# Altium PCB 190929 PCB (REV0).PcbDoc (part 1 of 2) (continued)
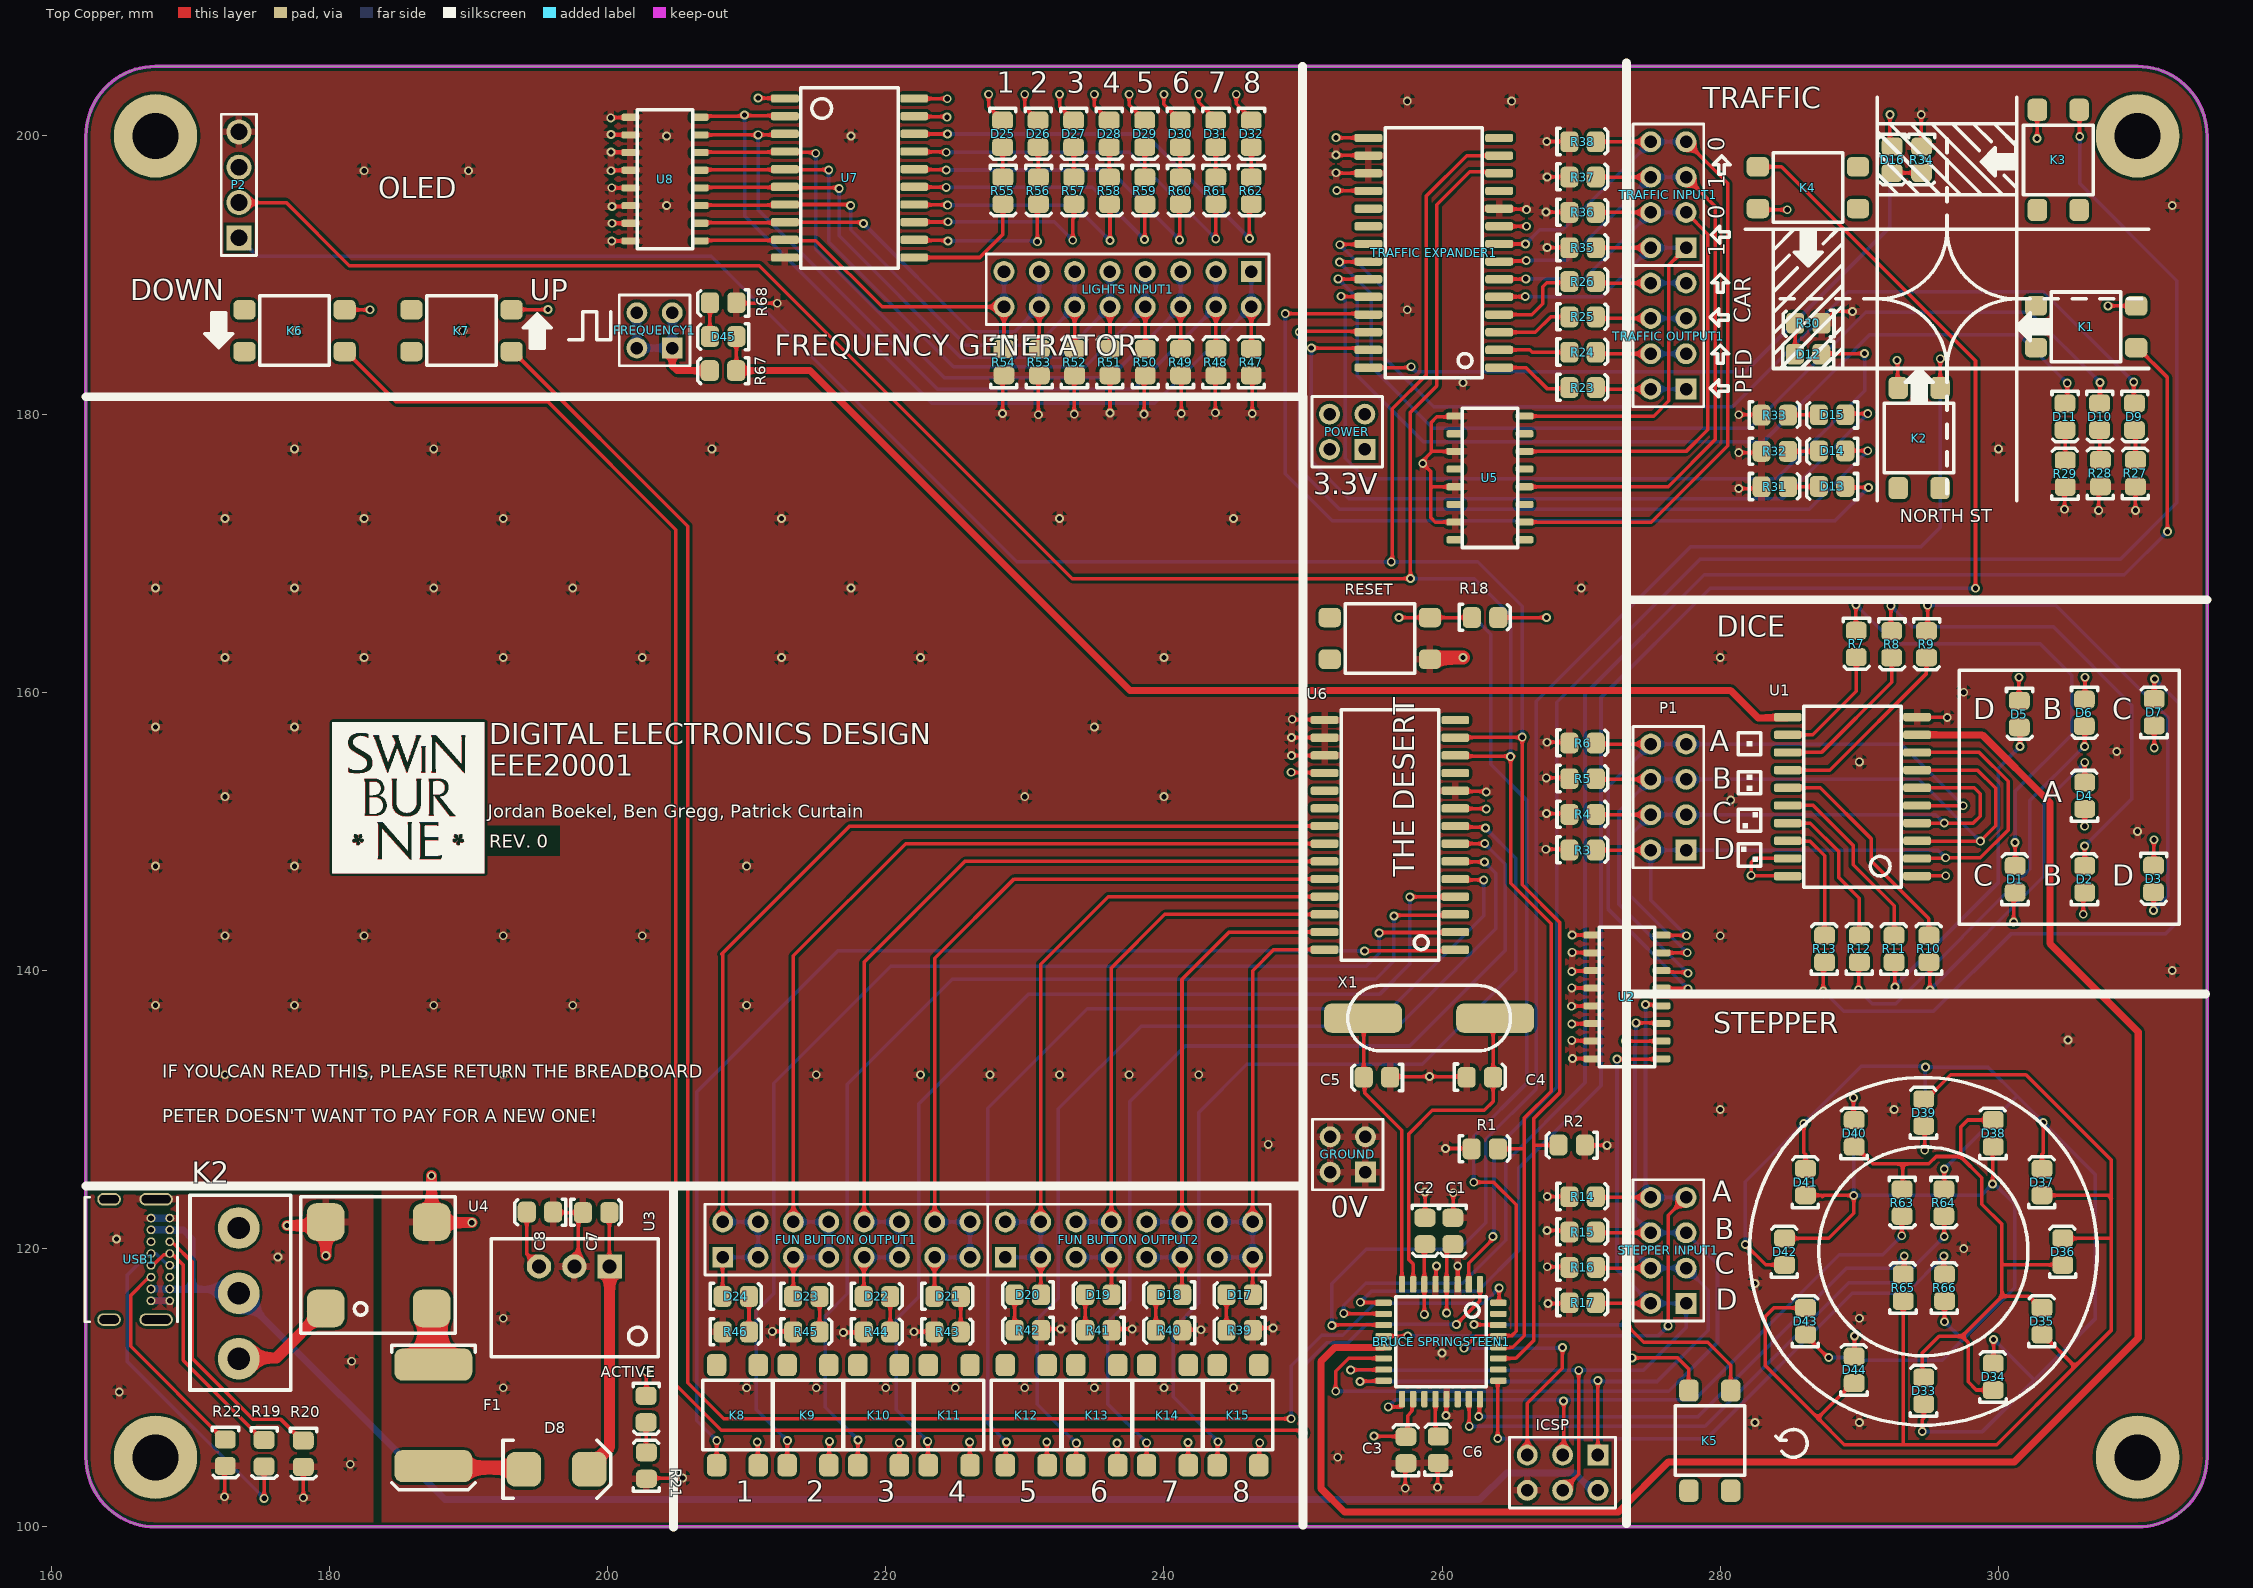
[diagram p0: Top Copper view]
## Part data (continued)
ACTIVE D1 D2 D3 D4 D5 D6 D7 D9 D10 D11 D12 D13 D14 D15 D16 D17 D18 D19 D20 D21 D22 D23 D24 D25 D26 D27 D28 D29 D30 D31 D32 D33 D34 D35 D36 D37 D38 D39 D40 D41 D42 D43 D44 D45: library part SML-210LTT86, "Red LED Indication - Discrete 1.75V 0805 (2012 Metric)", Colour=Red, Digikey Part Number=511-1286-1-ND, Manufacturer="ROHM Semiconductor", Digikey Link=https://www.digikey.com/product-detail/en/rohm-semiconductor/SML-210LTT86/511-1286-1-ND/637099, Part Number=SML-210LTT86
"BRUCE SPRINGSTEEN1": "AVR AVR® ATmega Microcontroller IC 8-Bit 20MHz 32KB (16K x 16) FLASH 32-TQFP (7x7)", Digikey Part Number=ATMEGA328P-AU-ND, Manufacturer=ATMEL, Digikey Link=https://www.digikey.com/product-detail/en/microchip-technology/ATMEGA328P-AU/ATMEGA328P-AU-ND/1832260, Part Number="ATMEGA 328P-AU"
C1 C3: library part GCM21BR71A105KA37L, Manufacturer=muRata, Rated Voltage=10V, Tolerance=10%, Material=X7R, Part Number=GCM21BR71A105KA37L
C2: library part GCM21BR61A475KA37L, Manufacturer=muRata, Rated Voltage=10V, Tolerance=10%, Material=X5R, Part Number=GCM21BR61A475KA37L
C4 C5: library part GCM21B5C1H220JA37L, Manufacturer=muRata, Rated Voltage=50V, Tolerance=5%, Material=C0G, Part Number=GCM21B5C1H220JA37L
C6: library part GCM21BR71E104KA37L, Manufacturer=muRata, Rated Voltage=25V, Tolerance=10%, Material=X7R, Part Number=GCM21BR71E104KA37L
C7: library part GCM21BR61A106KA37L, Manufacturer=muRata, Rated Voltage=10V, Tolerance=10%, Material=X5R, Part Number=GCM21BR61A106KA37L
C8: library part GRM21BR61A226ME51L, Digikey Part Number=490-10511-1-ND, Manufacturer=muRata, Rated Voltage=10V, Tolerance=20%, Material=X5R, Part Number=GRM21BR61A226ME51L
D8: "1.2V_F 600V 5A SMB", Digikey Part Number=1655-1530-2-ND, Manufacturer="SMC Diode Solutions", Digikey Link=https://www.digikey.com/product-detail/en/smc-diode-solutions/SD560BTR/1655-1530-2-ND/6022620, Part Number=SD560BTR
F1: "PTC RESET FUSE 60V 1A 292", Digikey Part Number=507-2070-1-ND, Manufacturer="Littelfuse Inc.", Digikey Link=https://www.digikey.com/product-detail/en/bel-fuse-inc/0ZCF0100AF2A/507-2070-1-ND/6210547, Part Number=0ZCF0100AF2A
FREQUENCY1 GROUND POWER: library part "Header 2x2", Angle=0, Contact=NA, Flange=No, Part Number="Header 2x2", Pitch=2.54mm, Positions=4, Row Spacing=2.54mm
ICSP: library part "Header 2x3", Angle=0, Contact=NA, Flange=No, Part Number="Header 2x3", Pitch=2.54mm, Positions=6, Row Spacing=2.54mm
K1 K2 K3 K4 K5 K6 K7 K8 K9 K10 K11 K12 K13 K14 K15 RESET: "Tactile Switch SPST-NO Top Actuated Surface Mount", Digikey Part Number=EG5350TR-ND, Manufacturer=E-Switch, Digikey Link=https://www.digikey.com/product-detail/en/e-switch/TL3305AF160QG/EG5350TR-ND/5816181, Part Number=TL3305AF160QG
K2: "Switch Slide SPDT 3A 125V", Digikey Part Number=360-2131-ND, Manufacturer="NKK Switches", Digikey Link=https://www.digikey.com.au/product-detail/en/nkk-switches/CS12ANW03/360-2131-ND/1014827, Part Number=CS12ANW03
P1 "STEPPER INPUT1" "TRAFFIC INPUT1" "TRAFFIC OUTPUT1": library part "Header 2x4", Angle=0, Contact=NA, Flange=No, Part Number="Header 2x4", Pitch=2.54mm, Positions=8, Row Spacing=2.54mm
P2: library part "Header 1x4", Angle=0, Contact=NA, Flange=No, Part Number="Header 1x4", Pitch=2.54mm, Positions=4, Row Spacing=2.54mm
R1 R2 R3 R4 R5 R6 R14 R15 R16 R17 R35 R36 R37 R38 R47 R48 R49 R50 R51 R52 R53 R54: library part RC0805FR0710KL, Manufacturer=YAGEO, Rated Voltage=0.125W, Tolerance=0.01, Material=FR-07, Part Number=RC0805FR0710KL, Qty=50
R7 R8 R9 R10 R11 R12 R13 R18 R27 R28 R29 R30 R31 R32 R33 R34 R39 R40 R41 R42 R43 R44 R45 R46 R55 R56 R57 R58 R59 R60 R61 R62 R63 R64 R65 R66 R67 R68: library part RC0805FR071KL, Manufacturer=YAGEO, Rated Voltage=0.125W, Tolerance=0.01, Material=FR-07, Part Number=RC0805FR071KL, Qty=50
R19 R21: library part RC0805FR07200RL, Manufacturer=YAGEO, Rated Voltage=0.125W, Tolerance=0.01, Material=FR-07, Part Number=RC0805FR07200RL, Qty=50
R20 R22: library part RC0805FR075K1L, Manufacturer=YAGEO, Rated Voltage=0.125W, Tolerance=0.01, Material=FR-07, Part Number=RC0805FR075K1L, Qty=50
R23 R24 R25 R26: library part RC0805FR07330RL, Manufacturer=YAGEO, Rated Voltage=0.125W, Tolerance=0.01, Material=FR-07, Part Number=RC0805FR07330RL, Qty=50
"TRAFFIC EXPANDER1" U6: "IC I/O EXPANDER I2C 16B 28SOIC", Digikey Part Number=MCP23017T-E/SOTR-ND, Manufacturer="Microchip Technology", Digikey Link=https://www.digikey.com/product-detail/en/microchip-technology/MCP23017T-E-SO/MCP23017T-E-SOTR-ND/964184, Part Number=MCP23017
U1 U7: "IC BUFFER INVERT 6V 20SOIC", Digikey Part Number=296-8333-1-ND, Manufacturer="Texas Instruments", Digikey Link=https://www.digikey.com/product-detail/en/texas-instruments/SN74HC540DWR/296-8333-1-ND/376710, Part Number=SN74HC540DWR
U2 U5 U8: "PD 300W VWM 3.3VCJ 425PFPACKAGE", Digikey Part Number=1655-2152-2-ND, Manufacturer="SMC Diode", Digikey Link=https://www.digikey.com/product-detail/en/smc-diode-solutions/S16C03-8TR/1655-2152-2-ND/9816814, Part Number=S16C03-8TR
U3: "CONV DC/DC 1A 3.3V OUT SIP VERT", Digikey Part Number=945-1394-5-ND, Manufacturer=Recom, Digikey Link=https://www.digikey.com/product-detail/en/recom-power/R-78C3.3-1.0/945-1394-5-ND/2652147, Part Number=R-78C3.3-1.0
U4: "Common Mode Choke 120UH 2.5A 2LN 460 OHM SMD", Digikey Part Number=732-1489-2-ND, Manufacturer="Wurth Electronics Inc", Digikey Link=https://www.digikey.com/product-detail/en/wurth-electronics-inc/744272121/732-1489-2-ND/1638893, Part Number=744272121
USB1: "USB - C (Type - C) USB 2.0 Receptacle Connector 16 Position Through Hole, Right Angle", Digikey Part Number=2073-USB4085-GF-ACT-ND, Angle=90, Digikey Link=https://www.digikey.ee/product-detail/en/gct/USB4085-GF-A/2073-USB4085-GF-ACT-ND/9859733, Part Number=USB4085-GF-A
X1: library part ABLS-16.000MHZ-B4-T, Digikey Part Number=535-10226-1-ND, Load Capacitance=18pF, Manufacturer="Abracon LLC", Digikey Link=https://www.digikey.com/product-detail/en/abracon-llc/ABLS-16.000MHZ-B4-T/535-10226-1-ND/2184261, ESR=40R, Part Number=ABLS-16.000MHZ-B4-T
"FUN BUTTON OUTPUT1" "FUN BUTTON OUTPUT2" "LIGHTS INPUT1": Angle=0, Contact=NA, Flange=No, Part Number="Header 2x8", Pitch=2.54mm, Positions=16, Row Spacing=2.54mm

## Free pads (board coordinates)
  round 6 hole 3.3: MOUNT(167.5,105) MOUNT(167.5,200) MOUNT(310,105) MOUNT(310,200)

## Via types
v1: diameter 0.635, hole 0.381, Top Copper to Bottom Copper, 357 vias

## Nets (pads, with @x,y where several pads share a name; then routed paths per layer and width w, separated by ;. In a path a pad name is that pad's centre, name@x,y a point inside that pad or via, vN(x,y) a via of type N, cw(c..) or ccw(c..) an arc to the next point about the centre after c; other vN are vias at no path point)
0V: "BRUCE SPRINGSTEEN1.3" "BRUCE SPRINGSTEEN1.5" "BRUCE SPRINGSTEEN1.21" "TRAFFIC EXPANDER1.10" "TRAFFIC EXPANDER1.16" "TRAFFIC EXPANDER1.17" C1.1 C2.1 C3.1 C4.1 C5.1 C6.1 C7.1 C8.1 GROUND.1 GROUND.2 GROUND.3 GROUND.4 ICSP.6 P2.4 R1.1 R2.1 R3.1 R4.1 R5.1 R6.1 R14.1 R15.1 R16.1 R17.1 R21.1 R27.1 R28.1 R29.1 R30.1 R31.1 R32.1 R33.1 R34.1 R35.1 R36.1 R37.1 R38.1 R39.1 R40.1 R41.1 R42.1 R43.1 R44.1 R45.1 R46.1 R47.1 R48.1 R49.1 R50.1 R51.1 R52.1 R53.1 R54.1 R68.1 RESET.2 U1.10 U2.1 U2.2 U2.3 U2.4 U2.5 U2.6 U2.7 U2.8 U3.2 U4.3 U5.1 U5.3 U5.5 U5.7 U6.10 U6.15 U6.16 U6.17 U7.10 U8.9 U8.10 U8.11 U8.12 U8.13 U8.14 U8.15 U8.16 | length 164.3
  Top Copper w0.254: C8.1@196.093,122.633 196.129,122.596 C7.1@198.231,122.596 197.898,122.263 197.898,119.006 U3.2@197.612,118.72 ; v1(200.225,201.3) 200.245,201.32 201.625,201.32 U8.9@201.645,201.34 ; v1(200.25,197.5) 200.28,197.53 U8.12@201.645,197.53 ; v1(200.25,198.85) 200.275,198.825 201.62,198.825 U8.11@201.645,198.8 ; v1(200.25,200.1) 200.265,200.085 201.63,200.085 U8.10@201.645,200.07 ; v1(200.3,192.45) U8.16@201.645,192.45 ; v1(200.3,196.275) 200.308,196.267 201.638,196.267 U8.13@201.645,196.26 ; v1(200.325,193.725) 200.327,193.723 201.642,193.723 U8.15@201.645,193.72 ; v1(200.325,194.925) 201.58,194.925 U8.14@201.645,194.99 ; R21.1@202.794,103.457 202.842,103.505 v1(205.41,103.505) ; R46.1@208.205,113.979 208.256,114.03 R46.1@208.271,114.014 ; R68.1@209.262,188.006 209.293,187.975 v1(212.2,187.975) ; v1(211.851,114.055) 213.304,114.055 R45.1@213.345,114.014 ; v1(216.956,113.979) 218.385,113.979 R44.1@218.42,114.014 ; v1(222.036,114.03) 223.478,114.03 R43.1@223.494,114.014 ; v1(228.4,180.05) 228.4,182.628 228.371,182.656 R54.1@228.503,182.788 ; v1(230.975,179.95) 230.975,182.72 R53.1@231.043,182.788 ; R42.1@231.169,114.133 231.259,114.223 v1(232.59,114.223) ; v1(233.55,180) 233.55,182.71 233.528,182.732 R52.1@233.583,182.788 ; R51.1@236.123,182.788 236.093,182.758 236.125,182.726 v1(236.125,180.075) ; R41.1@236.243,114.133 236.334,114.223 v1(237.72,114.223) ; v1(238.575,180) 238.575,182.563 238.625,182.613 238.557,182.682 R50.1@238.663,182.788 ; R49.1@241.203,182.788 241.173,182.758 241.25,182.681 v1(241.25,180.05) ; R40.1@241.318,114.133 241.357,114.173 v1(242.673,114.173) ; v1(243.7,180.1) 243.7,182.745 R48.1@243.743,182.788 ; R47.1@246.283,182.788 246.35,182.721 v1(246.35,180.05) ; R39.1@246.392,114.133 246.558,114.3 v1(247.855,114.3) ; v1(249.174,155.448) 249.182,155.456 251.541,155.456 U6.17@251.55,155.465 ; v1(249.174,156.743) 249.178,156.739 251.546,156.739 U6.16@251.55,156.735 ; v1(249.225,158.064) 249.254,158.035 251.52,158.035 U6.15@251.55,158.005 ; v1(252.375,197.35) 252.393,197.332 254.683,197.332 254.7,197.315 ; v1(252.375,198.625) 252.395,198.605 254.68,198.605 254.7,198.585 ; C5.1@256.267,132.323 256.364,132.225 256.514,132.375 v1(259.1,132.375) 261.522,132.375 261.672,132.225 C4.1@261.768,132.32 ; v1(257.35,102.775) 257.35,104.525 C3.1@257.4,104.575 ; C2.1@258.772,122.221 258.775,122.224 v1(258.775,124.075) ; 259.523,117.434 259.562,117.472 259.562,118.712 v1(259.6,118.75) ; v1(259.675,102.85) 259.675,104.55 C6.1@259.725,104.6 ; v1(260.25,127.2) 261.989,127.2 262.064,127.125 R1.1@262.113,127.174 ; v1(260.275,108) 260.299,108.024 260.299,109.16 260.323,109.184 ; C1.1@260.772,122.221 260.8,122.249 v1(260.8,124.025) ; U6.10@260.95,152.925 260.997,152.878 263.123,152.878 v1(263.169,152.832) ; U5.7@260.95,172.235 259.515,172.235 259.2,172.55 259.2,174.675 ; U5.5@260.95,174.775 259.3,174.775 259.2,174.675 ; U5.3@260.95,177.315 259.29,177.315 259.225,177.25 ; U5.1@260.95,179.855 260.895,179.8 259.625,179.8 259.225,179.4 259.225,177.25 ; 261.123,117.434 261.125,117.436 v1(261.125,118.75) ; 264.1,194.775 264.137,194.737 266.037,194.737 v1(266.075,194.7) ; v1(267.462,148.717) 269.042,148.717 269.067,148.742 R3.1@269.149,148.66 ; v1(267.475,194.525) 269.124,194.525 R36.1@269.149,194.5 ; v1(267.487,153.848) 269.088,153.848 R5.1@269.149,153.787 ; v1(267.513,151.282) 268.836,151.282 268.963,151.409 R4.1@269.149,151.223 ; v1(267.525,199.6) 269.129,199.6 R38.1@269.149,199.58 ; v1(267.538,121.31) 269.033,121.31 R15.1@269.149,121.194 ; v1(267.538,156.413) 269.086,156.413 R6.1@269.149,156.35 ; v1(267.55,191.975) 269.134,191.975 R35.1@269.149,191.96 ; v1(267.55,197.05) 269.139,197.05 R37.1@269.149,197.04 ; v1(267.564,118.694) 269.109,118.694 R16.1@269.149,118.654 ; v1(267.564,123.749) 269.135,123.749 R14.1@269.149,123.734 ; v1(267.614,116.053) 269.088,116.053 R17.1@269.149,116.114 ; v1(269.3,137.425) 269.318,137.443 270.783,137.443 U2.5@270.8,137.46 ; v1(269.325,134.975) 269.353,134.947 270.772,134.947 U2.7@270.8,134.92 ; v1(269.325,136.15) 269.345,136.17 270.78,136.17 U2.6@270.8,136.19 ; v1(269.325,138.75) 269.335,138.74 270.79,138.74 U2.4@270.8,138.73 ; v1(269.325,139.925) 269.363,139.963 270.763,139.963 U2.3@270.8,140 ; v1(269.35,141.3) 269.365,141.285 270.785,141.285 U2.2@270.8,141.27 ; v1(269.35,142.55) 269.355,142.545 270.795,142.545 U2.1@270.8,142.54 ; v1(269.375,133.675) 269.388,133.663 270.787,133.663 U2.8@270.8,133.65 ; R2.1@270.262,127.451 270.288,127.425 v1(271.85,127.425) ; v1(281.325,174.65) 282.789,174.65 282.814,174.625 R31.1@282.963,174.774 ; v1(281.325,177.229) 282.78,177.229 282.919,177.368 R32.1@282.963,177.324 ; v1(281.33,179.959) 282.928,179.959 R33.1@282.963,179.924 ; R30.1@287.287,186.53 287.338,186.479 288.238,187.379 v1(289.5,187.379) ; U1.10@294.15,158.215 294.162,158.203 296.305,158.203 v1(296.316,158.191) ; v1(294.45,201.529) 294.45,199.265 R34.1@294.474,199.241 ; v1(304.75,173.154) 304.75,174.716 R29.1@304.801,174.767 ; v1(307.2,173.079) 307.2,174.666 R28.1@307.326,174.792 ; v1(309.85,173.079) 309.85,174.791 R27.1@309.851,174.792 ; 259.2,174.675 259.2,175.85 258.605,176.445 v1(258.605,176.448) 258.605,176.63 259.225,177.25
  Top Copper w0.8: v1(187.35,125.247) U4.3@187.35,121.917 187.398,121.869 v1(190.246,121.869)
  Top Copper w1: RESET.2@259.125,162.375 259.25,162.5 v1(261.5,162.5)
  other v1: 252.5,105 282.5,107.5 290,107.5 192.5,110 210,110 215,110 220,110 225,110 230,110 235,110 240,110 245,110 260,112.5 192.5,115 290,115 282.5,117.5 297.5,120 247.5,127.5 280,130 292.5,130 172.5,132.5 182.5,132.5 192.5,132.5 202.5,132.5 215,132.5 222.5,132.5 227.5,132.5 232.5,132.5 237.5,132.5 242.5,132.5 305,135 167.5,137.5 177.5,137.5 187.5,137.5 197.5,137.5 210,137.5 312.5,140 172.5,142.5 182.5,142.5 192.5,142.5 202.5,142.5 280,142.5 167.5,147.5 177.5,147.5 210,147.5 310,150 280.75,152.25 172.5,152.5 230,152.5 240,152.5 290,155 308.5,155.75 167.5,157.5 177.5,157.5 235,157.5 297.5,160 172.5,162.5 182.5,162.5 192.5,162.5 202.5,162.5 212.5,162.5 222.5,162.5 240,162.5 280,162.5 167.5,167.5 177.5,167.5 187.5,167.5 197.5,167.5 217.5,167.5 270,167.5 172.5,172.5 182.5,172.5 192.5,172.5 212.5,172.5 232.5,172.5 245,172.5 177.5,177.5 187.5,177.5 207.5,177.5 300,177.5 261.5,182.25 177.6,186 189.6,186 257.5,187.5 204.25,195 312.5,195 182.5,197.5 190,197.5 204.25,200 217.5,200 257.5,202.5 265,202.5
3.3V: "BRUCE SPRINGSTEEN1.4" "BRUCE SPRINGSTEEN1.6" "BRUCE SPRINGSTEEN1.18" "TRAFFIC EXPANDER1.9" "TRAFFIC EXPANDER1.15" "TRAFFIC EXPANDER1.18" ACTIVE.A C1.2 C2.2 C3.2 C8.2 D1.A D2.A D3.A D4.A D5.A D6.A D7.A D25.A D26.A D27.A D28.A D29.A D30.A D31.A D32.A K1.4 K2.4 K3.4 K4.4 K5.4 K6.4 K7.4 K8.4 K9.4 K10.4 K11.4 K12.4 K13.4 K14.4 K15.4 P2.3 POWER.1 POWER.2 POWER.3 POWER.4 R18.2 U1.1 U1.19 U1.20 U3.3 U6.9 U6.18 U7.1 U7.19 U7.20 | length 114.2
  Top Copper w0.254: K6.4@181.1,187.5 v1(182.925,187.5) ; K7.4@193.1,187.5 193.113,187.512 195.712,187.512 v1(195.725,187.525) ; C8.2@194.193,122.633 194.193,119.617 195.072,118.738 U3.3@195.072,118.72 U3.3@194.95,118.597 ; ACTIVE.A@202.768,109.419 202.744,109.443 202.794,109.492 v1(202.794,111.15) ; v1(210.769,106.096) 210.803,106.062 210.803,104.467 K8.4@210.837,104.433 ; v1(210.825,202.725) 210.843,202.707 212.733,202.707 U7.1@212.75,202.69 ; K9.4@215.911,104.433 215.931,104.453 215.931,106.127 v1(215.951,106.147) ; v1(220.98,106.045) 220.983,106.042 220.983,104.436 K10.4@220.986,104.433 ; U7.19@222.05,201.42 222.085,201.385 224.365,201.385 v1(224.4,201.35) ; U7.20@222.05,202.69 222.058,202.683 224.417,202.683 v1(224.425,202.675) ; v1(226.035,106.096) 226.047,106.083 226.047,104.446 K11.4@226.06,104.433 ; v1(227.4,203) 227.4,202.103 D25.A@228.402,201.101 ; v1(230,203) 230,202.057 D26.A@230.956,201.101 ; v1(231.572,106.096) 231.586,106.082 231.586,104.447 K12.4@231.6,104.433 ; v1(232.5,203) 232.5,202.112 D27.A@233.511,201.101 ; v1(235,203) 235,202.166 D28.A@236.065,201.101 ; v1(236.626,106.02) 236.65,105.996 236.65,104.457 K13.4@236.674,104.433 ; v1(237.5,203) 237.5,202.221 D29.A@238.62,201.101 ; v1(240,203) 240,202.275 D30.A@241.174,201.101 ; v1(241.732,106.07) 241.74,106.062 241.74,104.441 K14.4@241.749,104.433 ; v1(242.5,203) 242.5,202.422 243.775,201.147 D31.A@243.729,201.101 ; v1(245.2,203) 245.2,202.318 246.35,201.168 D32.A@246.283,201.101 ; K15.4@246.823,104.433 246.855,104.466 246.855,106.012 v1(246.888,106.045) ; v1(249.149,154.254) 249.178,154.225 251.52,154.225 U6.18@251.55,154.195 ; v1(252.375,199.875) 252.385,199.865 254.69,199.865 254.7,199.855 ; v1(252.425,196.075) 252.44,196.06 254.685,196.06 254.7,196.045 ; v1(255.1,106.525) 255.125,106.5 257.375,106.5 C3.2@257.4,106.475 257.525,106.6 257.525,108 257.825,108.3 257.825,109.086 257.923,109.184 ; C2.2@258.772,120.321 258.723,120.272 258.723,117.434 258.724,117.433 v1(258.725,115.275) ; v1(260.325,115.375) 260.324,115.376 260.324,117.433 260.323,117.434 260.323,119.872 C1.2@260.772,120.321 ; U6.9@260.95,151.655 260.971,151.634 263.148,151.634 v1(263.169,151.613) ; R18.2@264.038,165.374 R18.2@264.038,165.374 v1(267.5,165.375) ; 264.1,193.505 264.102,193.502 266.073,193.502 v1(266.075,193.5) ; v1(273.65,112.15) 276.925,112.15 277.725,111.35 277.725,109.775 K5.4@277.75,109.8 ; K4.4@282.7,194.779 282.788,194.691 v1(284.81,194.691) ; U1.20@284.85,146.785 284.824,146.811 282.246,146.811 v1(282.219,146.837) 282.219,147.777 282.497,148.055 U1.19@284.85,148.055 ; v1(292.71,183.871) 292.755,183.825 292.755,181.924 K2.4@292.8,181.879 ; U1.1@294.15,146.785 294.164,146.798 296.201,146.798 v1(296.215,146.812) ; v1(301.092,143.485) 301.092,145.503 D1.A@301.201,145.613 ; v1(301.473,161.087) 301.473,159.416 D5.A@301.501,159.388 ; v1(302.768,199.822) 302.784,199.838 302.784,201.863 K3.4@302.8,201.879 ; v1(306.095,144.043) 306.095,145.507 D2.A@306.201,145.613 ; D6.A@306.175,159.475 306.222,159.522 v1(306.222,161.087) ; v1(306.197,150.368) 306.197,151.609 D4.A@306.201,151.613 ; v1(307.873,187.782) 307.875,187.781 309.898,187.781 K1.4@309.9,187.779 ; D3.A@311.149,147.537 311.175,147.564 v1(311.175,149.403) ; v1(311.201,156.007) D7.A@311.201,157.613 ; v1(258.725,115.275) v1(258.725,115.275)
5V: ICSP.2 K2.C USB1.A4 USB1.A9 USB1.B4 USB1.B9 | length 118.7
  Bottom Copper w0.5: USB1.B4@167.175,117.1 USB1.A9@168.525,117.1 168.546,117.079 170.129,117.079 ; USB1.B9@167.175,121.35 USB1.A4@168.525,121.35 168.546,121.329 169.501,121.329 170.129,120.701 170.129,117.079 ; ICSP.2@271.215,102.175 269.511,103.879 264.629,103.879 262.703,101.953 188.317,101.953 K2.C@173.482,116.788 173.191,117.079 170.129,117.079
A: P1.7 P1.8 R6.2 U1.5 U2.13 | length 54.8
  Top Copper w0.254: R6.2@271.049,156.35 271.119,156.28 P1.8@275,156.28 ; U2.13@275.78,138.73 275.803,138.707 277.65,138.707 v1(277.673,138.684) ; U1.5@294.15,151.865 294.162,151.853 297.447,151.853 v1(297.459,151.841)
  Bottom Copper w0.254: v1(277.673,138.684) 271.932,144.424 271.932,153.212 P1.8@275,156.28 P1.7@277.54,156.28 293.02,156.28 v1(297.459,151.841)
"AMBER EW": "TRAFFIC EXPANDER1.26" D14.A | length 60.3
  Top Copper w0.254: v1(249.725,185.9) 249.767,185.942 254.643,185.942 254.7,185.885 ; D14.A@288.987,177.355 289,177.368 v1(290.601,177.368)
  Bottom Copper w0.254: v1(249.725,185.9) 249.725,176.05 252.6,173.175 286.408,173.175 287.757,174.523 v1(290.601,177.368)
"AMBER NS": "TRAFFIC EXPANDER1.22" D10.A | length 71.8
  Top Copper w0.254: v1(252.625,190.925) 252.645,190.945 254.68,190.945 254.7,190.965 ; D10.A@307.274,180.766 307.3,180.792 v1(307.3,182.279)
  Bottom Copper w0.254: v1(252.625,190.925) 254.9,188.65 254.9,183.425 259.331,178.994 282.115,178.994 290.45,187.329 302.25,187.329 v1(307.3,182.279)
B: P1.5 P1.6 R5.2 U1.3 U1.7 U2.14 | length 63.2
  Top Copper w0.254: R5.2@271.049,153.787 271.096,153.74 P1.6@275,153.74 ; U2.14@275.78,140 275.906,139.874 277.6,139.874 v1(277.673,139.802) ; U1.7@294.15,154.405 298.495,154.405 299.8,153.1 299.8,150.4 v1(298.7,149.3) U1.3@294.375,149.3
  Bottom Copper w0.254: v1(277.673,139.802) 272.72,144.755 272.72,151.46 P1.6@275,153.74 P1.5@277.54,153.74 294.26,153.74 v1(298.7,149.3)
C: P1.3 P1.4 R4.2 U1.4 U1.6 U2.15 | length 50.5
  Top Copper w0.254: R4.2@271.049,151.223 271.073,151.2 P1.4@275,151.2 ; U2.15@275.78,141.27 275.782,141.272 277.62,141.272 v1(277.622,141.275) ; U1.4@294.15,150.595 294.153,150.598 296.098,150.598 v1(296.1,150.6) 298.2,150.6 298.7,151.1 298.7,152.7 298.265,153.135 U1.6@294.15,153.135
  Bottom Copper w0.254: v1(277.622,141.275) 273.533,145.364 273.533,149.733 P1.4@275,151.2 P1.3@277.54,151.2 295.5,151.2 v1(296.1,150.6)
"Car EW (OUT)": "TRAFFIC OUTPUT1.7" "TRAFFIC OUTPUT1.8" R26.2 | length 6.5
  Top Copper w0.254: R26.2@271.049,189.526 271.156,189.42 275,189.42
  Bottom Copper w0.254: 275,189.42 277.54,189.42
"Car NS (OUT)": "TRAFFIC OUTPUT1.5" "TRAFFIC OUTPUT1.6" R25.2 | length 6.5
  Top Copper w0.254: R25.2@271.049,186.986 271.156,186.88 275,186.88
  Bottom Copper w0.254: 275,186.88 277.54,186.88
Charlie1: "BRUCE SPRINGSTEEN1.17" ICSP.3 R63.2 | length 49.5
  Top Copper w0.254: v1(256.125,108.625) 257.123,108.625 257.123,109.184 ; ICSP.3@268.675,104.715 268.675,105.165 268.612,105.228 268.75,105.365 268.75,109.025 v1(268.725,109.05) ; v1(293.05,120.925) 293.05,122.338 R63.2@293.074,122.362
  Bottom Copper w0.254: v1(256.125,108.625) 256.642,109.142 278.142,109.142 288.55,119.55 291.675,119.55 v1(293.05,120.925)
Charlie2: "BRUCE SPRINGSTEEN1.23" R64.2 | length 43.3
  Top Copper w0.254: 261.923,109.184 261.937,109.17 261.937,107.238 v1(261.95,107.225) ; R64.2@296.074,122.362 296.1,122.336 v1(296.1,120.875)
  Bottom Copper w0.254: v1(261.95,107.225) 278.9,107.225 289.225,117.55 292.775,117.55 v1(296.1,120.875)
Charlie3: "BRUCE SPRINGSTEEN1.24" R65.2 | length 38
  Top Copper w0.254: v1(262.638,107.93) 262.68,107.973 262.68,109.141 262.723,109.184 ; R65.2@293.152,118.138 293.225,118.211 v1(293.225,119.475)
  Bottom Copper w0.254: v1(262.638,107.93) 278.405,107.93 289.05,118.575 292.325,118.575 v1(293.225,119.475)
Charlie4: "BRUCE SPRINGSTEEN1.25" R66.2 | length 43
  Top Copper w0.254: v1(264,106.35) 264,110.461 264.048,110.509 ; v1(296.075,119.475) 296.075,118.189 R66.2@296.126,118.138
  Bottom Copper w0.254: v1(264,106.35) 279.05,106.35 289.5,116.8 293.4,116.8 v1(296.075,119.475)
D: P1.1 P1.2 R3.2 U1.2 U1.8 U2.16 | length 52.7
  Top Copper w0.254: R3.2@271.049,148.66 P1.2@275,148.66 ; U2.16@275.78,142.54 275.803,142.517 277.548,142.517 v1(277.571,142.494) ; U1.2@294.15,148.055 294.173,148.078 296.178,148.078 v1(296.2,148.1) 298.7,148.1 300.7,150.1 300.7,153.6 298.625,155.675 U1.8@294.15,155.675
  Bottom Copper w0.254: v1(277.571,142.494) 275,145.065 P1.2@275,148.66 P1.1@277.54,148.66 295.64,148.66 v1(296.2,148.1)
"EastLight1 IN": "TRAFFIC EXPANDER1.7" "TRAFFIC INPUT1.5" "TRAFFIC INPUT1.6" R37.2 U5.12 | length 54.9
  Top Copper w0.254: 264.1,190.965 264.142,191.007 266.007,191.007 v1(266.05,191.05) ; U5.12@266.02,174.685 U5.12@265.93,174.775 266.02,174.775 276.25,174.775 279.625,178.15 279.625,194.955 277.54,197.04 ; R37.2@271.049,197.04 275,197.04
  Bottom Copper w0.254: v1(266.05,191.05) 269.01,191.05 275,197.04 277.54,197.04
"EastLight2 IN": "TRAFFIC EXPANDER1.8" "TRAFFIC INPUT1.7" "TRAFFIC INPUT1.8" R38.2 U5.10 | length 60.4
  Top Copper w0.254: 264.1,192.235 264.105,192.23 265.995,192.23 v1(266,192.225) ; U5.10@265.93,172.235 275.035,172.235 280.525,177.725 280.525,196.595 277.54,199.58 ; R38.2@271.049,199.58 275,199.58
  Bottom Copper w0.254: v1(266,192.225) 267.025,193.25 268.67,193.25 275,199.58 277.54,199.58
"Frequency (OUT)": FREQUENCY1.1 FREQUENCY1.2 FREQUENCY1.3 FREQUENCY1.4 R67.2 | length 11.7
  Top Copper w0.508: FREQUENCY1.1@204.65,184.75 204.65,183.475 205,183.125 R67.2@207.35,183.125
  Bottom Copper w0.508: FREQUENCY1.4@202.11,187.29 FREQUENCY1.2@202.11,184.75 FREQUENCY1.1@204.65,184.75 FREQUENCY1.3@204.65,187.29
Fun1: "FUN BUTTON OUTPUT1.1" "FUN BUTTON OUTPUT1.2" "FUN BUTTON OUTPUT1.3" "FUN BUTTON OUTPUT1.4" D24.A U6.21 | length 76.9
  Top Copper w0.254: D24.A@208.271,116.564 208.271,119.371 208.28,119.38 ; 208.28,121.92 208.28,141.119 208.215,141.184 217.416,150.385 U6.21@251.55,150.385
  Bottom Copper w0.254: 208.28,119.38 210.82,119.38 210.82,121.92 208.28,121.92
Fun2: "FUN BUTTON OUTPUT1.5" "FUN BUTTON OUTPUT1.6" "FUN BUTTON OUTPUT1.7" "FUN BUTTON OUTPUT1.8" D23.A U6.22 | length 71.1
  Top Copper w0.254: D23.A@213.345,116.564 213.36,116.579 213.36,119.38 ; 213.36,121.92 213.36,141.046 221.429,149.115 U6.22@251.55,149.115
  Bottom Copper w0.254: 213.36,119.38 215.9,119.38 215.9,121.92 213.36,121.92
Fun3: "FUN BUTTON OUTPUT1.9" "FUN BUTTON OUTPUT1.10" "FUN BUTTON OUTPUT1.11" "FUN BUTTON OUTPUT1.12" D22.A U6.23 | length 65.2
  Top Copper w0.254: D22.A@218.42,116.564 218.43,116.574 218.43,119.37 218.44,119.38 ; 218.44,121.92 218.44,140.589 225.696,147.845 U6.23@251.55,147.845
  Bottom Copper w0.254: 218.44,119.38 220.98,119.38 220.98,121.92 218.44,121.92
Fun4: "FUN BUTTON OUTPUT1.13" "FUN BUTTON OUTPUT1.14" "FUN BUTTON OUTPUT1.15" "FUN BUTTON OUTPUT1.16" D21.A U6.24 | length 59.8
  Top Copper w0.254: D21.A@223.494,116.564 223.507,116.577 223.507,119.367 223.52,119.38 ; 223.52,121.92 223.52,140.868 229.227,146.575 U6.24@251.55,146.575
  Bottom Copper w0.254: 223.52,119.38 226.06,119.38 226.06,121.92 223.52,121.92
Fun5: "FUN BUTTON OUTPUT2.1" "FUN BUTTON OUTPUT2.2" "FUN BUTTON OUTPUT2.3" "FUN BUTTON OUTPUT2.4" D20.A U6.25 | length 51.3
  Top Copper w0.254: 231.14,119.38 231.155,119.365 231.155,116.698 D20.A@231.169,116.683 ; 231.14,121.92 231.14,140.437 236.008,145.305 U6.25@251.55,145.305
  Bottom Copper w0.254: 228.6,119.38 231.14,119.38 231.14,121.92 228.6,121.92
Fun6: "FUN BUTTON OUTPUT2.5" "FUN BUTTON OUTPUT2.6" "FUN BUTTON OUTPUT2.7" "FUN BUTTON OUTPUT2.8" D19.A U6.26 | length 45.5
  Top Copper w0.254: 236.22,119.38 236.232,119.368 236.232,116.695 D19.A@236.243,116.683 ; 236.22,121.92 236.22,140.183 240.072,144.035 U6.26@251.55,144.035
  Bottom Copper w0.254: 233.68,119.38 236.22,119.38 236.22,121.92 233.68,121.92
Fun7: "FUN BUTTON OUTPUT2.9" "FUN BUTTON OUTPUT2.10" "FUN BUTTON OUTPUT2.11" "FUN BUTTON OUTPUT2.12" D18.A U6.27 | length 39.4
  Top Copper w0.254: 241.3,119.38 241.3,116.701 D18.A@241.318,116.683 ; 241.3,121.92 241.3,139.37 244.695,142.765 U6.27@251.55,142.765
  Bottom Copper w0.254: 238.76,119.38 241.3,119.38 241.3,121.92 238.76,121.92
Fun8: "FUN BUTTON OUTPUT2.13" "FUN BUTTON OUTPUT2.14" "FUN BUTTON OUTPUT2.15" "FUN BUTTON OUTPUT2.16" D17.A U6.28 | length 34.2
  Top Copper w0.254: 246.38,119.38 246.386,119.374 246.386,116.689 D17.A@246.392,116.683 ; 246.38,121.92 246.38,139.979 247.904,141.503 251.542,141.503 U6.28@251.55,141.495
  Bottom Copper w0.254: 243.84,119.38 246.38,119.38 246.38,121.92 243.84,121.92
GND: R20.2 R22.2 U4.4 USB1.A1 USB1.A12 USB1.B1 USB1.B12 USB1.P1 | length 12.6
  Top Copper w0.254: v1(172.466,102.159) 172.466,104.328 R22.2@172.516,104.378 ; v1(178.13,102.092) R20.2@178.13,104.311
  Top Copper w0.8: v1(176.962,121.666) 179.479,121.666 U4.4@179.73,121.917 179.75,121.897 v1(179.75,119.5)
  Bottom Copper w0.254: USB1.A1@168.525,122.2 USB1.A1@168.601,122.124
  Bottom Copper w0.5: USB1.B1@167.175,116.25 USB1.A12@168.525,116.25 ; USB1.B12@167.175,122.2 USB1.A1@168.525,122.2
  other v1: 181.5,104.5 164.9,109.7 181.6,111.9 176.3,119.4 164.7,120.7
"GREEN EW": "TRAFFIC EXPANDER1.27" D15.A | length 57.6
  Top Copper w0.254: v1(250.6,184.75) 254.535,184.75 254.685,184.6 254.7,184.615 ; D15.A@288.987,179.955 289.067,180.035 v1(290.601,180.035)
  Bottom Copper w0.254: v1(250.6,184.75) 250.6,176.625 253.299,173.927 284.493,173.927 286.423,175.857 v1(290.601,180.035)
"GREEN NS": "TRAFFIC EXPANDER1.23" D11.A | length 68.9
  Top Copper w0.254: v1(252.525,189.725) 252.54,189.71 254.685,189.71 254.7,189.695 ; D11.A@304.774,180.766 304.95,180.942 v1(304.95,182.229)
  Bottom Copper w0.254: v1(252.525,189.725) 253.9,188.35 253.9,182.775 258.646,178.029 283.112,178.029 289.676,184.593 289.676,184.644 290.731,185.699 301.481,185.699 v1(304.95,182.229)
Light1: "LIGHTS INPUT1.1" "LIGHTS INPUT1.2" R47.2 U7.2 U8.8 | length 63.9
  Top Copper w0.254: U8.8@206.625,201.34 206.712,201.427 209.777,201.427 v1(209.85,201.5) 209.89,201.46 212.71,201.46 U7.2@212.75,201.42 ; R47.2@246.283,184.688 246.283,187.71
  Bottom Copper w0.254: v1(209.85,201.5) 209.85,194.25 223.325,180.775 239.348,180.775 246.283,187.71 246.283,190.25
Light2: "LIGHTS INPUT1.3" "LIGHTS INPUT1.4" R48.2 U7.3 U8.7 | length 57.8
  Top Copper w0.254: U8.7@206.625,200.07 211.047,200.07 211.052,200.075 212.675,200.075 U7.3@212.75,200.15 ; R48.2@243.743,184.688 243.743,187.71
  Bottom Copper w0.254: v1(210.825,200.075) 210.825,194.675 223.7,181.8 237.833,181.8 243.743,187.71 243.743,190.25
Light3: "LIGHTS INPUT1.5" "LIGHTS INPUT1.6" R49.2 U7.4 U8.6 | length 53.1
  Top Copper w0.254: U8.6@206.625,198.8 206.665,198.84 212.71,198.84 U7.4@212.75,198.88 212.815,198.815 214.91,198.815 v1(214.975,198.75) ; R49.2@241.203,184.688 241.203,187.71
  Bottom Copper w0.254: v1(214.975,198.75) 214.975,191.875 224.25,182.6 236.093,182.6 241.203,187.71 241.203,190.25
Light4: "LIGHTS INPUT1.7" "LIGHTS INPUT1.8" R50.2 U7.5 U8.5 | length 48.3
  Top Copper w0.254: U8.5@206.625,197.53 206.665,197.57 212.71,197.57 U7.5@212.75,197.61 212.78,197.58 215.87,197.58 v1(215.9,197.55) ; R50.2@238.663,184.688 238.663,187.71
  Bottom Copper w0.254: v1(215.9,197.55) 215.9,192.375 224.875,183.4 234.353,183.4 238.663,187.71 238.663,190.25
Light5: "LIGHTS INPUT1.9" "LIGHTS INPUT1.10" R51.2 U7.6 U8.4 | length 43.7
  Top Copper w0.254: U8.4@206.625,196.26 206.665,196.3 212.71,196.3 U7.6@212.75,196.34 212.807,196.283 216.593,196.283 v1(216.65,196.225) ; R51.2@236.123,184.688 236.123,187.71
  Bottom Copper w0.254: v1(216.65,196.225) 216.65,192.825 225.375,184.1 232.513,184.1 236.123,187.71 236.123,190.25
Light6: "LIGHTS INPUT1.11" "LIGHTS INPUT1.12" R52.2 U7.7 U8.3 | length 38.9
  Top Copper w0.254: U8.3@206.625,194.99 206.665,195.03 212.71,195.03 U7.7@212.75,195.07 217.405,195.07 v1(217.475,195) ; R52.2@233.583,184.688 233.583,187.71
  Bottom Copper w0.254: v1(217.475,195) 217.475,193.25 225.775,184.95 230.823,184.95 233.583,187.71 233.583,190.25
Light7: "LIGHTS INPUT1.13" "LIGHTS INPUT1.14" R53.2 U7.8 U8.2 | length 34
  Top Copper w0.254: U8.2@206.625,193.72 206.665,193.76 212.71,193.76 U7.8@212.75,193.8 218.3,193.8 v1(218.4,193.7) ; R53.2@231.043,184.688 231.043,187.71
  Bottom Copper w0.254: v1(218.4,193.7) 226.175,185.925 229.258,185.925 231.043,187.71 231.043,190.25
Light8: "LIGHTS INPUT1.15" "LIGHTS INPUT1.16" R54.2 U7.9 U8.1 | length 29.5
  Top Copper w0.254: U8.1@206.625,192.45 206.665,192.49 212.71,192.49 U7.9@212.75,192.53 212.805,192.475 214.975,192.475 219.74,187.71 228.503,187.71 R54.2@228.503,184.688
  Bottom Copper w0.254: 228.503,187.71 228.503,190.25
MISO: "BRUCE SPRINGSTEEN1.16" "STEPPER INPUT1.3" "STEPPER INPUT1.4" ICSP.1 R16.2 U2.10 | length 65.4
  Top Copper w0.254: v1(254.1,110.45) 254.129,110.479 255.769,110.479 255.798,110.509 ; R16.2@271.049,118.654 271.103,118.6 275,118.6 ; v1(271.2,110.525) 271.2,105.18 271.215,105.165 ICSP.1@271.215,104.715 ; v1(273.178,134.923) 275.777,134.923 U2.10@275.78,134.92
  Bottom Copper w0.254: v1(254.1,110.45) 275.45,110.45 279.125,114.125 279.125,117.015 277.54,118.6 275,118.6 273.273,120.327 273.273,133.914 273.178,134.01 v1(273.178,134.923)
MOSI: "BRUCE SPRINGSTEEN1.15" "STEPPER INPUT1.1" "STEPPER INPUT1.2" ICSP.4 R17.2 U2.9 | length 66.9
  Top Copper w0.254: v1(253.425,111.275) 253.442,111.292 255.781,111.292 255.798,111.309 ; ICSP.4@268.665,102.625 269.825,103.785 v1(269.825,111.25) ; R17.2@271.049,116.114 271.103,116.06 275,116.06 ; v1(272.575,133.625) 275.755,133.625 U2.9@275.78,133.65
  Bottom Copper w0.254: v1(253.425,111.275) 274.5,111.275 277.54,114.315 277.54,116.06 275,116.06 272.575,118.485 v1(272.575,133.625)